# Altium PCB PROC114E3_BRD.PcbDoc (part 4 of 18)
Units mm, origin at the board's own origin, x right, y up, seen from the top; angles counter-clockwise.
Board outline 85 x 155.18 mm, 10 copper layers (TOP, L02_GND1, L03_SIG1, L04_GND2, L05_PWR1, L06_PWR2, L07_GND3, L08_SIG2, L09_GND4, BOTTOM), stack 1.134 mm thick; 1389 components, 1010 nets, 5137 pads, 3263 vias.
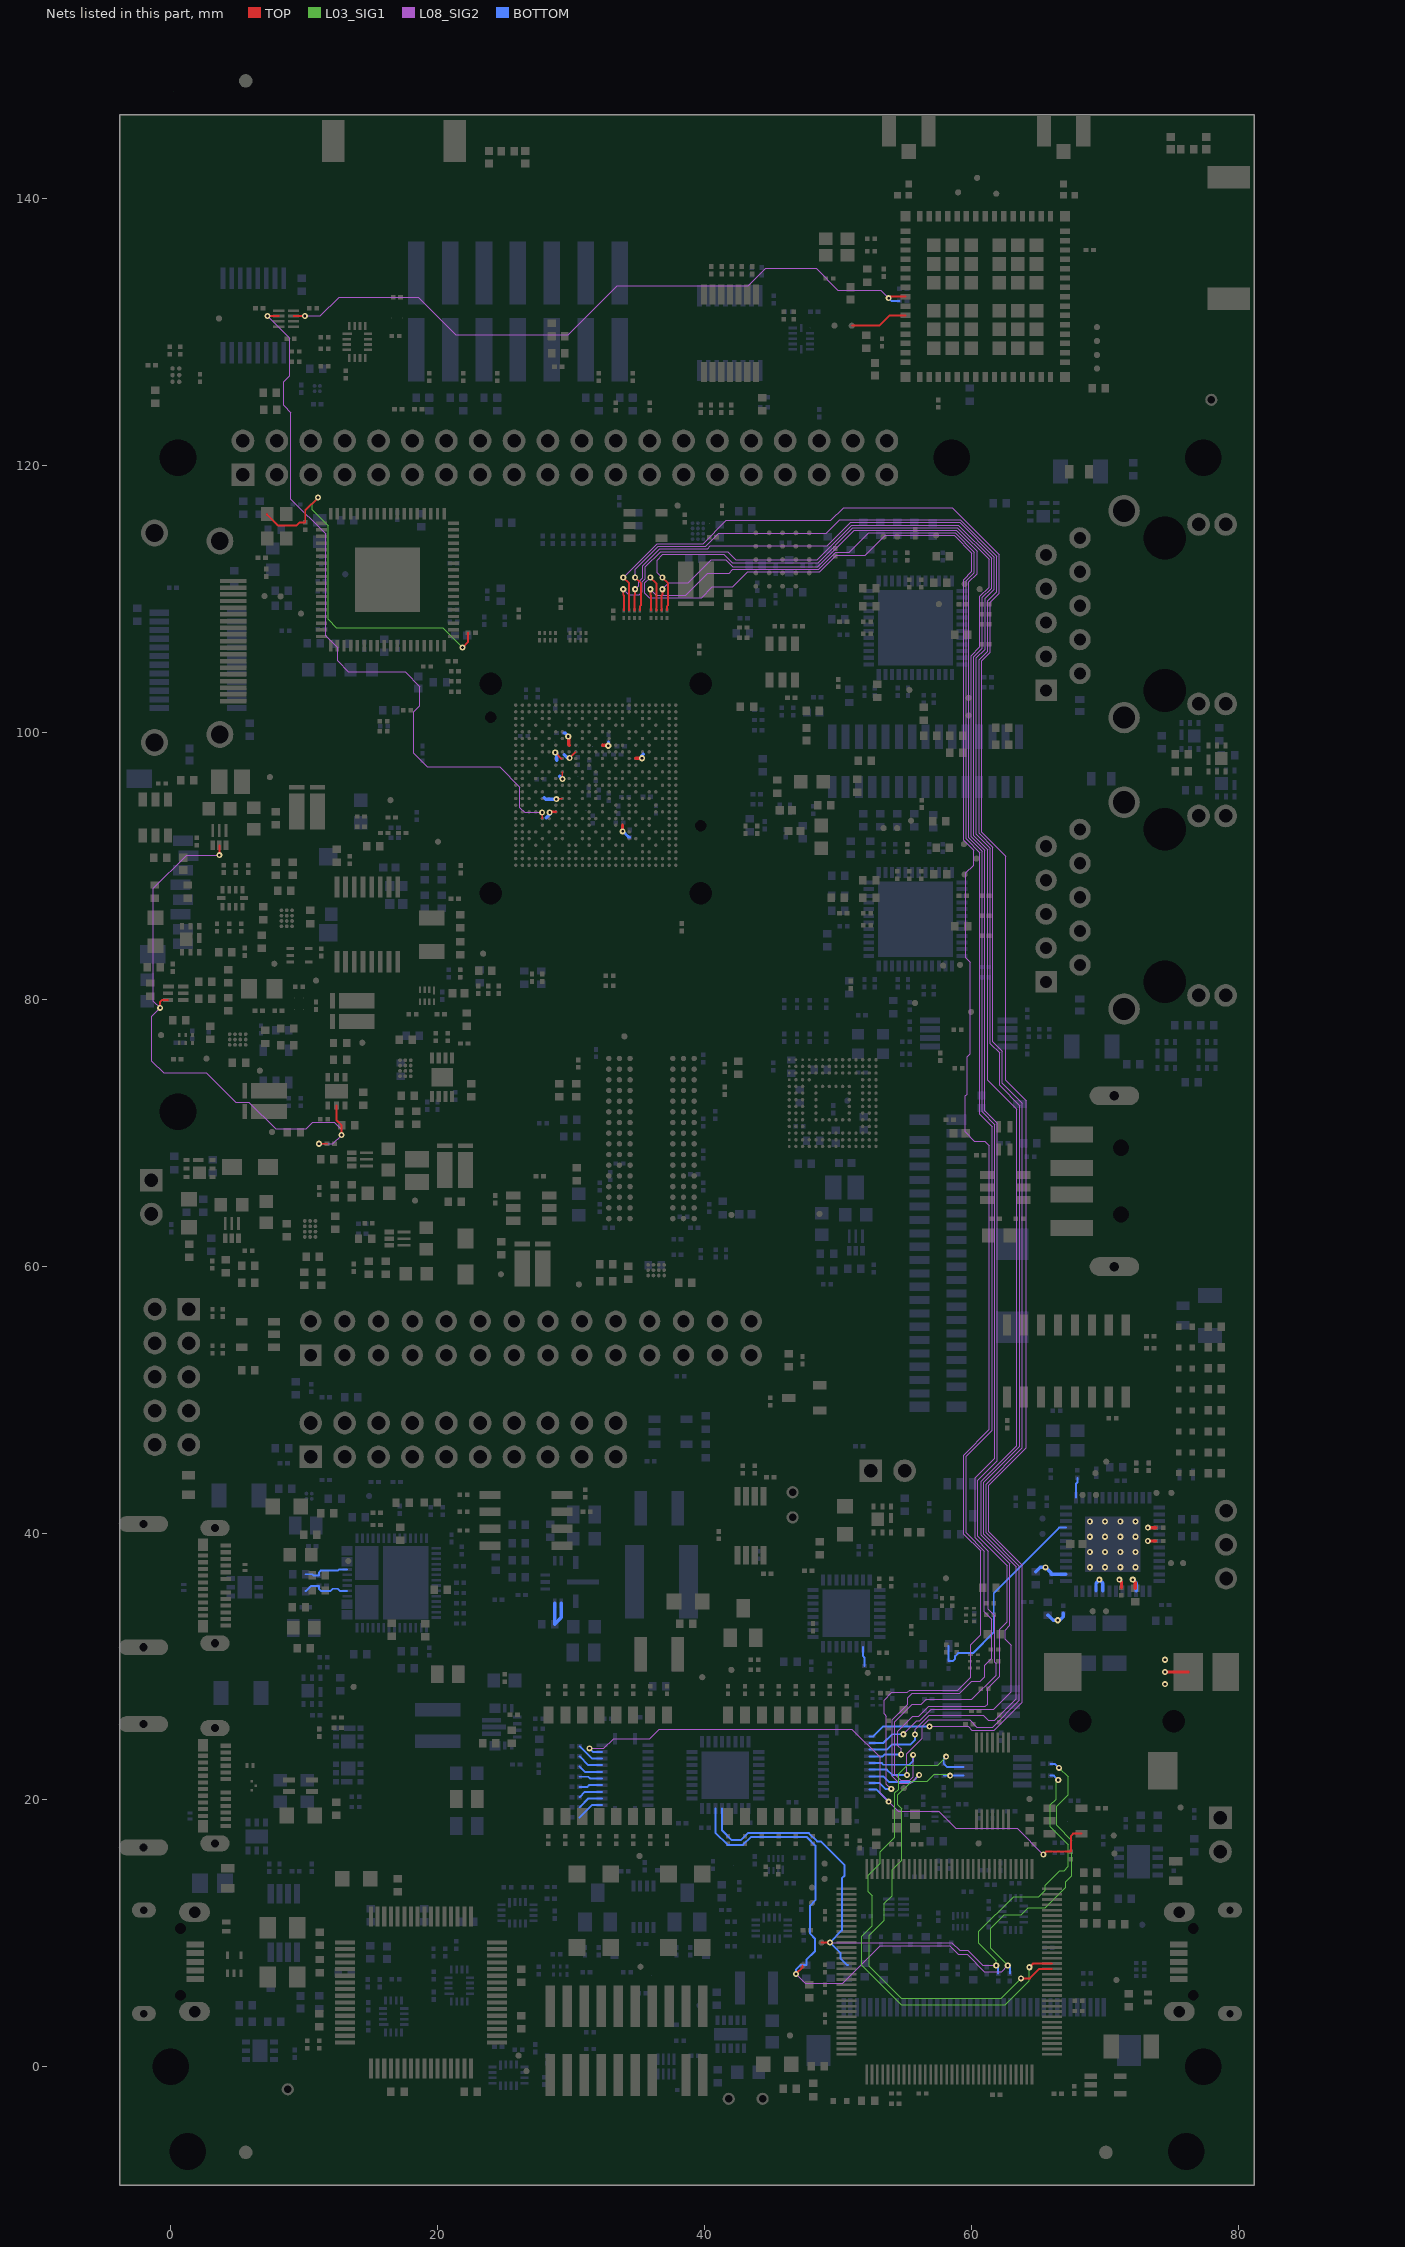
[diagram p12: the nets of this part, all layers, seen from the top]

## Footprints (in the part's own frame and the unit in brackets; to place one, negate y for a bottom-side part, rotate by r counter-clockwise, add the part's x,y. Pads: shape width x height; smd on the part's side, far side on the other; paste and mask are expansions set on the pad) (continued)
QFN24_19-68_220X140_1 [mil] "QFN24_19-68_220X140_1"
  rect 33x11 smd: 1(-107.28,-29.53) 12(107.28,-29.53) 13(107.28,29.53) 24(-107.28,29.53)
  rect 11x33 smd: 2(-88.58,-67.91) 3(-68.9,-67.91) 4(-49.21,-67.91) 5(-29.53,-67.91) 6(-9.84,-67.91) 7(9.84,-67.91) 8(29.53,-67.91) 9(49.21,-67.91) 10(68.9,-67.91) 11(88.58,-67.91) 14(88.58,67.91) 15(68.9,67.91) 16(49.21,67.91) 17(29.53,67.91) 18(9.84,67.91) 19(-9.84,67.91) 20(-29.53,67.91) 21(-49.21,67.91) 22(-68.9,67.91) 23(-88.58,67.91)
  oct 1x1 smd: 25(0,0)
  TOP region: -79.3,-40 79.3,-40 79.3,-14.84 124.3,-14.84 124.3,-5 96.06,-5 96.06,4.68 124.3,4.68 124.3,14.84 79.3,14.84 79.3,40 -79.3,40 -79.3,14.84 -124.3,14.84 -124.3,4.68 -95.76,4.68 -95.76,-5 -124.3,-5 -124.3,-14.84 -79.3,-14.84
  TOP region: -79.3,-40 79.3,-40 79.3,-14.84 124.3,-14.84 124.3,-5 96.06,-5 96.06,4.68 124.3,4.68 124.3,14.84 79.3,14.84 79.3,40 -79.3,40 -79.3,14.84 -124.3,14.84 -124.3,4.68 -95.76,4.68 -95.76,-5 -124.3,-5 -124.3,-14.84 -79.3,-14.84
  silkscreen extent -140,-118 140,100, body extent -110,-70 110,70, height 150
QFN32_19-68_200X200 [mil] "QFN32_19-68_200X200"
  rect 33x12 smd: 1(-98.42,68.9) 2(-98.42,49.21) 3(-98.42,29.53) 4(-98.42,9.84) 5(-98.42,-9.84) 6(-98.42,-29.53) 7(-98.42,-49.21) 8(-98.42,-68.9) 17(98.42,-68.9) 18(98.42,-49.21) 19(98.42,-29.53) 20(98.42,-9.84) 21(98.42,9.84) 22(98.42,29.53) 23(98.42,49.21) 24(98.42,68.9)
  rect 12x33 smd: 9(-68.9,-98.42) 10(-49.21,-98.42) 11(-29.53,-98.42) 12(-9.84,-98.42) 13(9.84,-98.42) 14(29.53,-98.42) 15(49.21,-98.42) 16(68.9,-98.42) 25(68.9,98.42) 26(49.21,98.42) 27(29.53,98.42) 28(9.84,98.42) 29(-9.84,98.42) 30(-29.53,98.42) 31(-49.21,98.42) 32(-68.9,98.42)
  rect 140x140 smd: 33(0,0)
  silkscreen extent -135,-110 110,110, body extent -100,-100 100,100, height 150
QFN48_19-68_280X280_1 [mil] "QFN48_19-68_280X280_1"
  rect 32x12 smd: 1(137.8,-108.27) 2(137.8,-88.58) 3(137.8,-68.9) 4(137.8,-49.21) 5(137.8,-29.53) 6(137.8,-9.84) 7(137.8,9.84) 8(137.8,29.53) 9(137.8,49.21) 10(137.8,68.9) 11(137.8,88.58) 12(137.8,108.27) 25(-137.8,108.27) 26(-137.8,88.58) 27(-137.8,68.9) 28(-137.8,49.21) 29(-137.8,29.53) 30(-137.8,9.84) 31(-137.8,-9.84) 32(-137.8,-29.53) 33(-137.8,-49.21) 34(-137.8,-68.9) 35(-137.8,-88.58) 36(-137.8,-108.27)
  rect 12x32 smd: 13(108.27,137.8) 14(88.58,137.8) 15(68.9,137.8) 16(49.21,137.8) 17(29.53,137.8) 18(9.84,137.8) 19(-9.84,137.8) 20(-29.53,137.8) 21(-49.21,137.8) 22(-68.9,137.8) 23(-88.58,137.8) 24(-108.27,137.8) 37(-108.27,-137.8) 38(-88.58,-137.8) 39(-68.9,-137.8) 40(-49.21,-137.8) 41(-29.53,-137.8) 42(-9.84,-137.8) 43(9.84,-137.8) 44(29.53,-137.8) 45(49.21,-137.8) 46(68.9,-137.8) 47(88.58,-137.8) 48(108.27,-137.8)
  rect 222x222 smd: 49(0,0)
  silkscreen extent -150,-150 175,150
QFN72_19-68_390X390_0-9 [mil] "QFN72_19-68_390X390_0-9"
  rect 33x10 smd: 1(-194.88,167.32) 2(-194.88,147.64) 3(-194.88,127.95) 4(-194.88,108.27) 5(-194.88,88.58) 6(-194.88,68.9) 7(-194.88,49.21) 8(-194.88,29.53) 9(-194.88,9.84) 10(-194.88,-9.84) 11(-194.88,-29.53) 12(-194.88,-49.21) 13(-194.88,-68.9) 14(-194.88,-88.58) 15(-194.88,-108.27) 16(-194.88,-127.95) 17(-194.88,-147.64) 18(-194.88,-167.32) 37(194.88,-167.32) 38(194.88,-147.64) 39(194.88,-127.95) 40(194.88,-108.27) 41(194.88,-88.58) 42(194.88,-68.9) 43(194.88,-49.21) 44(194.88,-29.53) 45(194.88,-9.84) 46(194.88,9.84) 47(194.88,29.53) 48(194.88,49.21) 49(194.88,68.9) 50(194.88,88.58) 51(194.88,108.27) 52(194.88,127.95) 53(194.88,147.64) 54(194.88,167.32)
  rect 10x33 smd: 19(-167.32,-194.88) 20(-147.64,-194.88) 21(-127.95,-194.88) 22(-108.27,-194.88) 23(-88.58,-194.88) 24(-68.9,-194.88) 25(-49.21,-194.88) 26(-29.53,-194.88) 27(-9.84,-194.88) 28(9.84,-194.88) 29(29.53,-194.88) 30(49.21,-194.88) 31(68.9,-194.88) 32(88.58,-194.88) 33(108.27,-194.88) 34(127.95,-194.88) 35(147.64,-194.88) 36(167.32,-194.88) 55(167.32,194.88) 56(147.64,194.88) 57(127.95,194.88) 58(108.27,194.88) 59(88.58,194.88) 60(68.9,194.88) 61(49.21,194.88) 62(29.53,194.88) 63(9.84,194.88) 64(-9.84,194.88) 65(-29.53,194.88) 66(-49.21,194.88) 67(-68.9,194.88) 68(-88.58,194.88) 69(-108.27,194.88) 70(-127.95,194.88) 71(-147.64,194.88) 72(-167.32,194.88)
  rect 191x191 smd: 73(0,0)
  silkscreen extent -225,-205 205,205, body extent -195,-195 195,195, height 150
RES0201_0-5#1 [mil] "RES0201_0-5"
  rect 14x13 smd: 1(-11.02,0) 2(11.02,0)
  silkscreen extent -25,-15 25,15
RES0201_0-5#2 [mil] "RES0201_0-5"
  rect 14x13 smd: 1(11.02,0) 2(-11.02,0)
  silkscreen extent -25,-15 25,15, body extent -10,-5 10,5, height 150
RES0402 [mil] "RES0402"
  rect 22x25 smd: 1(-19.29,0) 2(19.29,0)
  TOP keep-out region: -5,10 -5,-10 5,-10 5,10
  silkscreen extent -35,-25 35,25, body extent -20,-10 20,10, height 150
RES0402_0-5#1 [mil] "RES0402_0-5"
  rect 20x20 smd: 1(-16.54,0) 2(16.54,0)
  TOP keep-out region: -5,-10 5,-10 5,10 -5,10
  silkscreen extent -30,-25 30,25, body extent -20,-10 20,10, height 150
RES0402_0-5#2 [mil] "RES0402_0-5"
  rect 22x25 smd: 1(-19.29,0) 2(19.29,0)
  TOP keep-out region: -5,-10 5,-10 5,10 -5,10
  silkscreen extent -35,-25 35,25, body extent -20,-10 20,10, height 150
RES0402_0-5#3 [mil] "RES0402_0-5"
  rect 22x25 smd: 1(19.29,0) 2(-19.29,0)
  TOP keep-out region: 5,-10 5,10 -5,10 -5,-10
  silkscreen extent -35,-25 35,25, body extent -20,-10 20,10, height 150
RES0603_0-75#1 [mil] "RES0603_0-75"
  rect 25x39 smd: 1(-29.13,0) 2(29.13,0)
  TOP keep-out region: -15,-20 15,-20 15,20 -15,20
  silkscreen extent -45,-30 45,30, body extent -35,-20 35,20, height 150
RES0603_0-75#2 [mil] "RES0603_0-75"
  rect 25x39 smd: 1(29.13,0) 2(-29.13,0)
  TOP keep-out region: -15,20 15,20 15,-20 -15,-20
  silkscreen extent -45,-30 45,30
RES0805_0-75#1 [mil] "RES0805_0-75"
  rect 47x57 smd: 1(-37.4,0) 2(37.4,0)
  TOP keep-out region: -10,30 -10,-30 10,-30 10,30
  silkscreen extent -65,-40 65,40, body extent -45,-30 45,30, height 150
RES0805_0-75#2 [mil] "RES0805_0-75"
  rect 47x57 smd: 1(37.4,0) 2(-37.4,0)
  TOP keep-out region: 10,-30 10,30 -10,30 -10,-30
  silkscreen extent -65,-40 65,40, body extent -45,-30 45,30, height 150
RES_KRL3216T4_1206-4_0-7 [mil] "RES_KRL3216T4_1206-4_0-7"
  rect 45x14 smd: 1(-30.51,58.93) 4(30.51,58.93)
  rect 45x106 smd: 2(-30.51,-12.93) 3(30.51,-12.93)
  silkscreen extent -68,-80 60,99, body extent -35,-65 35,65, height 150
RESA_EXB_0201-4_0-5 [mil] "RESA_EXB_0201-4_0-5"
  rect 8x12 smd: 1(-23.62,-10.83) 2(-7.87,-10.83) 3(7.87,-10.83) 4(23.62,-10.83) 5(23.62,10.83) 6(7.87,10.83) 7(-7.87,10.83) 8(-23.62,10.83)
  silkscreen extent -40,-45 40,30, body extent -30,-15 30,15, height 150
SC70-5_1-1 [mil] "SC70-5_1-1"
  rect 37x16 smd: 1(-43.31,25.59) 2(-43.31,0) 3(-43.31,-25.59) 4(43.31,-25.59) 5(43.31,25.59)
  silkscreen extent -80,-50 10,50, body extent -25,-40 25,40, height 150
SOIC8_1-8 [mil] "SOIC8_1-8"
  rect 61x24 smd: 1(-106.3,75) 2(-106.3,25) 3(-106.3,-25) 4(-106.3,-75) 5(106.3,-75) 6(106.3,-25) 7(106.3,25) 8(106.3,75)
  silkscreen extent -124,-110 60,114, body extent -80,-100 80,100, height 150
SOIC16_1-8 [mil] "SOIC16_1-8"
  rect 61x24 smd: 1(-106.3,175) 2(-106.3,125) 3(-106.3,75) 4(-106.3,25) 5(-106.3,-25) 6(-106.3,-75) 7(-106.3,-125) 8(-106.3,-175) 9(106.3,-175) 10(106.3,-125) 11(106.3,-75) 12(106.3,-25) 13(106.3,25) 14(106.3,75) 15(106.3,125) 16(106.3,175)
  silkscreen extent -160,-205 60,205, body extent -80,-195 80,195, height 150
SON6_19-68_40X60_PB_0-6 [mil] "SON6_19-68_40X60_PB_0-6"
  rect 14x12 smd: 1(-11.81,19.68) 2(-11.81,0) 3(-11.81,-19.68) 4(11.81,-19.68) 5(11.81,0) 6(11.81,19.68)
  silkscreen extent -38,-40 20,45, body extent -20,-30 20,30, height 150
SON6_25-59_85X85 [mil] "SON6_25-59_85X85"
  rect 24x14 smd: 1(41.34,-25.59) 2(41.34,0) 3(41.34,25.59) 4(-41.34,25.59) 5(-41.34,0) 6(-41.34,-25.59)
  rect 43x67 smd: 7(0,0)
  silkscreen extent -40,-55 75,50, body extent -40,-40 40,40, height 150
SON6_25-59_85X85_0-8#1 [mil] "SON6_25-59_85X85_0-8"
  rect 24x14 smd: 1(-41.34,25.59) 2(-41.34,0) 3(-41.34,-25.59) 4(41.34,-25.59) 5(41.34,0) 6(41.34,25.59)
  rect 42x67 smd: 7(0,0)
  silkscreen extent -57,-50 40,76, body extent -40,-40 40,40, height 150
SON6_25-59_85X85_0-8#2 [mil] "SON6_25-59_85X85_0-8"
  rect 24x14 smd: 1(41.34,-25.59) 2(41.34,0) 3(41.34,25.59) 4(-41.34,25.59) 5(-41.34,0) 6(-41.34,-25.59)
  rect 42x67 smd: 7(0,0)
  silkscreen extent -40,-55 75,50, body extent -40,-40 40,40, height 150
SON6_CSD17313Q2_80X80 [mil] "SON6_CSD17313Q2_80X80"
  rect 16x18 smd: 1(-25.59,-36.32) 2(0,-36.32) 3(25.59,-36.32) 4(25.59,36.32) 5(0,36.32) 6(-25.59,36.32)
  rect 16x34 smd: 7(25.59,3.78)
  rect 41x43 smd: 8(-12.8,0)
  silkscreen extent -50,-75 50,60, body extent -40,-40 40,40, height 150
SON6_SN74LVC2G17_40X60_0-6 [mil] "SON6_SN74LVC2G17_40X60_0-6"
  rect 14x8 smd: 1(-10.83,19.68)
  rect 12x8 smd: 2(-11.81,0) 3(-11.81,-19.68) 4(11.81,-19.68) 5(11.81,0) 6(11.81,19.68)
  silkscreen extent -35,-40 20,45, body extent -20,-30 20,30, height 150
SON8_25-59_130X130_1 [mil] "SON8_25-59_130X130_1"
  rect 30x14 smd: 1(-57.09,38.39) 2(-57.09,12.8) 3(-57.09,-12.8) 4(-57.09,-38.39) 5(57.09,-38.39) 6(57.09,-12.8) 7(57.09,12.8) 8(57.09,38.39)
  rect 69x99 smd: 9(0,0)
  silkscreen extent -95,-75 75,80, body extent -65,-65 65,65, height 150
SOT23-5 [mil] "SOT23-5"
  rect 35x22 smd: 1(-47.24,37.4) 2(-47.24,0) 3(-47.24,-37.4) 4(47.24,-37.4) 5(47.24,37.4)
  silkscreen extent -57,-70 15,70, body extent -35,-60 35,60, height 150
SOT23-6 [mil] "SOT23-6"
  rect 41x24 smd: 1(-53.15,37.4) 2(-53.15,0) 3(-53.15,-37.4) 4(53.15,-37.4) 5(53.15,0) 6(53.15,37.4)
  silkscreen extent -45,-70 15,70, body extent -33,-60 33,60, height 150
SOT23-6_1-5 [mil] "SOT23-6_1-5"
  rect 43x24 smd: 1(-53.15,37.4) 2(-53.15,0) 3(-53.15,-37.4) 4(53.15,-37.4) 5(53.15,0) 6(53.15,37.4)
  silkscreen extent -95,-70 15,70
SOT23-123_1-2#1 [mil] "SOT23-123_1-2"
  rect 40x24 smd: 1(-45.28,37.4) 2(-45.28,-37.4) 3(45.28,0)
  silkscreen extent -96,-70 10,70, body extent -30,-60 30,60, height 150
SOT23-123_1-2#2 [mil] "SOT23-123_1-2"
  rect 40x24 smd: 1(45.28,-37.4) 2(45.28,37.4) 3(-45.28,0)
  silkscreen extent -10,-70 92,70, body extent -30,-60 30,60, height 150
SOT553-5_0-6 [mil] "SOT553-5_0-6"
  rect 22x9 smd: 1(-27.17,19.68) 2(-27.17,0) 3(-27.17,-19.68) 4(27.17,-19.68) 5(27.17,19.68)
  silkscreen extent -50,-45 35,50, body extent -25,-35 25,35, height 150
SW4_100X216_200X200_SMD_4-2 [mm] "SW4_100X216_200X200_SMD_4-2"
  rect 1.27x1.27 smd: 1(-1.27,-2.75) 2(1.27,-2.75) 3(1.27,2.75) 4(-1.27,2.75)
  silkscreen extent -2.95,-4.38 2.95,3.68, body extent -2.54,-2.54 2.54,2.54, height 3.81
SW16_416131160808_460X230_SMD_2-7 [mil] "SW16_416131160808_460X230_SMD_2-7"
  rect 30x50 smd: 1(-175,-150) 2(-125,-150) 3(-75,-150) 4(-25,-150) 5(25,-150) 6(75,-150) 7(125,-150) 8(175,-150) 9(175,150) 10(125,150) 11(75,150) 12(25,150) 13(-25,150) 14(-75,150) 15(-125,150) 16(-175,150)
  silkscreen extent -240,-178 240,125, body extent -230,-115 230,115, height 150
TO_SOT23-123#1 [mil] "TO_SOT23-123"
  rect 40x55 smd: 1(-37.4,-43.31) 2(37.4,-43.31) 3(0,43.31)
  silkscreen extent -70,-102 70,85, body extent -60,-30 60,30, height 150
TO_SOT23-123#2 [mil] "TO_SOT23-123"
  rect 40x55 smd: 1(37.4,43.31) 2(-37.4,43.31) 3(0,-43.31)
  silkscreen extent -70,-85 70,102, body extent -60,-30 60,30, height 150
TP20_SMD [mil] "TP20_SMD"
  round 18 smd: 1(0,0)
  silkscreen extent -20,-20 20,20, body extent -10,-10 10,10, height 150
TP_36X22 [mil] "TP_36X22"
  round 36 hole 22: 1(0,0)
  silkscreen extent -30,-30 30,30, body extent -30,-30 30,30, height 150
TP_40X65 [mil] "TP_40X65"
  round 65 hole 40: 1(0,0)
  silkscreen extent -47,-47 47,47
TQFP128_15-74_550X550_1-2 [mil] "TQFP128_15-74_550X550_1-2"
  rect 59x8 smd: 1(-303.15,244.09) 2(-303.15,228.35) 3(-303.15,212.6) 4(-303.15,196.85) 5(-303.15,181.1) 6(-303.15,165.35) 7(-303.15,149.61) 8(-303.15,133.86) 9(-303.15,118.11) 10(-303.15,102.36) 11(-303.15,86.61) 12(-303.15,70.87) 13(-303.15,55.12) 14(-303.15,39.37) 15(-303.15,23.62) 16(-303.15,7.87) 17(-303.15,-7.87) 18(-303.15,-23.62) 19(-303.15,-39.37) 20(-303.15,-55.12) 21(-303.15,-70.87) 22(-303.15,-86.61) 23(-303.15,-102.36) 24(-303.15,-118.11) 25(-303.15,-133.86) 26(-303.15,-149.61) 27(-303.15,-165.35) 28(-303.15,-181.1) 29(-303.15,-196.85) 30(-303.15,-212.6) 31(-303.15,-228.35) 32(-303.15,-244.09) 65(303.15,-244.09) 66(303.15,-228.35) 67(303.15,-212.6) 68(303.15,-196.85) 69(303.15,-181.1) 70(303.15,-165.35) 71(303.15,-149.61) 72(303.15,-133.86) 73(303.15,-118.11) 74(303.15,-102.36) 75(303.15,-86.61) 76(303.15,-70.87) 77(303.15,-55.12) 78(303.15,-39.37) 79(303.15,-23.62) 80(303.15,-7.87) 81(303.15,7.87) 82(303.15,23.62) 83(303.15,39.37) 84(303.15,55.12) 85(303.15,70.87) 86(303.15,86.61) 87(303.15,102.36) 88(303.15,118.11) 89(303.15,133.86) 90(303.15,149.61) 91(303.15,165.35) 92(303.15,181.1) 93(303.15,196.85) 94(303.15,212.6) 95(303.15,228.35) 96(303.15,244.09)
  rect 8x59 smd: 33(-244.09,-303.15) 34(-228.35,-303.15) 35(-212.6,-303.15) 36(-196.85,-303.15) 37(-181.1,-303.15) 38(-165.35,-303.15) 39(-149.61,-303.15) 40(-133.86,-303.15) 41(-118.11,-303.15) 42(-102.36,-303.15) 43(-86.61,-303.15) 44(-70.87,-303.15) 45(-55.12,-303.15) 46(-39.37,-303.15) 47(-23.62,-303.15) 48(-7.87,-303.15) 49(7.87,-303.15) 50(23.62,-303.15) 51(39.37,-303.15) 52(55.12,-303.15) 53(70.87,-303.15) 54(86.61,-303.15) 55(102.36,-303.15) 56(118.11,-303.15) 57(133.86,-303.15) 58(149.61,-303.15) 59(165.35,-303.15) 60(181.1,-303.15) 61(196.85,-303.15) 62(212.6,-303.15) 63(228.35,-303.15) 64(244.09,-303.15) 97(244.09,303.15) 98(228.35,303.15) 99(212.6,303.15) 100(196.85,303.15) 101(181.1,303.15) 102(165.35,303.15) 103(149.61,303.15) 104(133.86,303.15) 105(118.11,303.15) 106(102.36,303.15) 107(86.61,303.15) 108(70.87,303.15) 109(55.12,303.15) 110(39.37,303.15) 111(23.62,303.15) 112(7.87,303.15) 113(-7.87,303.15) 114(-23.62,303.15) 115(-39.37,303.15) 116(-55.12,303.15) 117(-70.87,303.15) 118(-86.61,303.15) 119(-102.36,303.15) 120(-118.11,303.15) 121(-133.86,303.15) 122(-149.61,303.15) 123(-165.35,303.15) 124(-181.1,303.15) 125(-196.85,303.15) 126(-212.6,303.15) 127(-228.35,303.15) 128(-244.09,303.15)
  silkscreen extent -360,-360 360,360, body extent -275,-275 275,275, height 150
TSSOP8_25-59_125X180_1-2 [mil] "TSSOP8_25-59_125X180_1-2"
  rect 59x18 smd: 1(-114.17,38.39) 2(-114.17,12.8) 3(-114.17,-12.8) 4(-114.17,-38.39) 5(114.17,-38.39) 6(114.17,-12.8) 7(114.17,12.8) 8(114.17,38.39)
  silkscreen extent -123,-70 70,70, body extent -90,-60 90,60, height 150
TSSOP14_25-59_205X180_1-2 [mil] "TSSOP14_25-59_205X180_1-2"
  rect 59x18 smd: 1(-114.17,76.77) 2(-114.17,51.18) 3(-114.17,25.59) 4(-114.17,0) 5(-114.17,-25.59) 6(-114.17,-51.18) 7(-114.17,-76.77) 8(114.17,-76.77) 9(114.17,-51.18) 10(114.17,-25.59) 11(114.17,0) 12(114.17,25.59) 13(114.17,51.18) 14(114.17,76.77)
  silkscreen extent -127,-110 70,110, body extent -90,-100 90,100, height 150
TSSOP16_25-59_205X180 [mil] "TSSOP16_25-59_205X180"
  rect 63x14 smd: 1(-110.24,89.57) 2(-110.24,63.98) 3(-110.24,38.39) 4(-110.24,12.8) 5(-110.24,-12.8) 6(-110.24,-38.39) 7(-110.24,-63.98) 8(-110.24,-89.57) 9(110.24,-89.57) 10(110.24,-63.98) 11(110.24,-38.39) 12(110.24,-12.8) 13(110.24,12.8) 14(110.24,38.39) 15(110.24,63.98) 16(110.24,89.57)
  silkscreen extent -135,-110 65,113, body extent -90,-100 90,100, height 150
TSSOP24_25-59_315X180_1-2 [mil] "TSSOP24_25-59_315X180_1-2"
  rect 57x18 smd: 1(-114.17,140.75) 2(-114.17,115.16) 3(-114.17,89.57) 4(-114.17,63.98) 5(-114.17,38.39) 6(-114.17,12.8) 7(-114.17,-12.8) 8(-114.17,-38.39) 9(-114.17,-63.98) 10(-114.17,-89.57) 11(-114.17,-115.16) 12(-114.17,-140.75) 13(114.17,-140.75) 14(114.17,-115.16) 15(114.17,-89.57) 16(114.17,-63.98) 17(114.17,-38.39) 18(114.17,-12.8) 19(114.17,12.8) 20(114.17,38.39) 21(114.17,63.98) 22(114.17,89.57) 23(114.17,115.16) 24(114.17,140.75)
  silkscreen extent -165,-165 70,165, body extent -90,-155 90,155, height 150
TVSOP14_15-74_180X150_1-2 [mil] "TVSOP14_15-74_180X150_1-2"
  rect 59x8 smd: 1(-114.17,47.24) 2(-114.17,31.5) 3(-114.17,15.75) 4(-114.17,0) 5(-114.17,-15.75) 6(-114.17,-31.5) 7(-114.17,-47.24) 8(114.17,-47.24) 9(114.17,-31.5) 10(114.17,-15.75) 11(114.17,0) 12(114.17,15.75) 13(114.17,31.5) 14(114.17,47.24)
  silkscreen extent -165,-85 70,85, body extent -90,-75 90,75, height 150
UDFN8_19-68_120X80_0-6 [mil] "UDFN8_19-68_120X80_0-6"
  rect 32x12 smd: 1(-57.09,29.53) 2(-57.09,9.84) 3(-57.09,-9.84) 4(-57.09,-29.53) 5(57.09,-29.53) 6(57.09,-9.84) 7(57.09,9.84) 8(57.09,29.53)
  rect 55x63 smd: 9(0,0)
  silkscreen extent -88,-50 60,55, body extent -60,-40 60,40, height 150
UQFN10_19-68_80X60_0-6 [mil] "UQFN10_19-68_80X60_0-6"
  rect 23x12 smd: 1(-25,29.53) 4(-25,-29.53) 6(25,-29.53) 9(25,29.53)
  rect 23x10 smd: 2(-25,9.84) 3(-25,-9.84) 7(25,-9.84) 8(25,9.84)
  rect 12x25 smd: 5(0,-33.86) 10(0,33.86)
  silkscreen extent -52,-60 50,75
UQFN12_TXB0104RUT_70X80_0-6 [mil] "UQFN12_TXB0104RUT_70X80_0-6"
  oct 1x1 smd: 1(25.59,-31.5)
  rect 24x8 smd: 2(25.59,-15.75) 3(25.59,0) 4(25.59,15.75) 5(25.59,31.5) 7(-25.59,31.5) 8(-25.59,15.75) 9(-25.59,0) 10(-25.59,-15.75) 11(-25.59,-31.5)
  rect 8x24 smd: 6(0,31.5) 12(0,-31.5)
  TOP region: 37.59,-35.51 37.6,-27.51 13.6,-27.49 13.58,-43.49 19.58,-43.49 19.59,-35.49
  TOP region: 37.59,-35.51 37.6,-27.51 13.6,-27.49 13.58,-43.49 19.58,-43.49 19.59,-35.49
  silkscreen extent -55,-60 70,60, body extent -35,-40 35,40, height 150
UQFN16_TMUX1574_70X100_0-6 [mil] "UQFN16_TMUX1574_70X100_0-6"
  rect 28x8 smd: 1(-29.52,23.62)
  rect 24x8 smd: 2(-31.49,7.87) 3(-31.49,-7.87) 4(-31.49,-23.62) 9(31.51,-23.62) 10(31.51,-7.87) 11(31.51,7.87) 12(31.51,23.62)
  rect 8x24 smd: 5(-23.61,-47.24) 6(-7.86,-47.24) 7(7.88,-47.24) 8(23.63,-47.24) 13(23.63,47.24) 14(7.88,47.24) 15(-7.86,47.24) 16(-23.61,47.24)
  silkscreen extent -55,-60 45,60, body extent -35,-50 35,50, height 150
VFBGA153_19-68_460X520_1-1 [mil] "VFBGA153_19-68_460X520_1-1"
  round 8 smd: A1(-127.95,127.95) A2(-108.27,127.95) A3(-88.58,127.95) A4(-68.9,127.95) A5(-49.21,127.95) A6(-29.53,127.95) B1(-127.95,108.27) C1(-127.95,88.58) D1(-127.95,68.9) M1(-127.95,-88.58) N1(-127.95,-108.27) P1(-127.95,-127.95)
  round 10 smd: A7(-9.84,127.95) A8(9.84,127.95) A9(29.53,127.95) A10(49.21,127.95) A11(68.9,127.95) A12(88.58,127.95) A13(108.27,127.95) A14(127.95,127.95) B2(-108.27,108.27) B3(-88.58,108.27) B4(-68.9,108.27) B5(-49.21,108.27) B6(-29.53,108.27) B7(-9.84,108.27) B8(9.84,108.27) B9(29.53,108.27) B10(49.21,108.27) B11(68.9,108.27) B12(88.58,108.27) B13(108.27,108.27) B14(127.95,108.27) C2(-108.27,88.58) C3(-88.58,88.58) C4(-68.9,88.58) C5(-49.21,88.58) C6(-29.53,88.58) C7(-9.84,88.58) C8(9.84,88.58) C9(29.53,88.58) C10(49.21,88.58) C11(68.9,88.58) C12(88.58,88.58) C13(108.27,88.58) C14(127.95,88.58) D2(-108.27,68.9) D3(-88.58,68.9) D4(-68.9,68.9) D12(88.58,68.9) D13(108.27,68.9) D14(127.95,68.9) E1(-127.95,49.21) E2(-108.27,49.21) E3(-88.58,49.21) E5(-49.21,49.21) E6(-29.53,49.21) E7(-9.84,49.21) E8(9.84,49.21) E9(29.53,49.21) E10(49.21,49.21) E12(88.58,49.21) E13(108.27,49.21) E14(127.95,49.21) F1(-127.95,29.53) F2(-108.27,29.53) F3(-88.58,29.53) F5(-49.21,29.53) F10(49.21,29.53) F12(88.58,29.53) F13(108.27,29.53) F14(127.95,29.53) G1(-127.95,9.84) G2(-108.27,9.84) G3(-88.58,9.84) G5(-49.21,9.84) G10(49.21,9.84) G12(88.58,9.84) G13(108.27,9.84) G14(127.95,9.84) H1(-127.95,-9.84) H2(-108.27,-9.84) H3(-88.58,-9.84) H5(-49.21,-9.84) H10(49.21,-9.84) H12(88.58,-9.84) H13(108.27,-9.84) H14(127.95,-9.84) J1(-127.95,-29.53) J2(-108.27,-29.53) J3(-88.58,-29.53) J5(-49.21,-29.53) J10(49.21,-29.53) J12(88.58,-29.53) J13(108.27,-29.53) J14(127.95,-29.53) K1(-127.95,-49.21) K2(-108.27,-49.21) K3(-88.58,-49.21) K5(-49.21,-49.21) K6(-29.53,-49.21) K7(-9.84,-49.21) K8(9.84,-49.21) K9(29.53,-49.21) K10(49.21,-49.21) K12(88.58,-49.21) K13(108.27,-49.21) K14(127.95,-49.21) L1(-127.95,-68.9) L2(-108.27,-68.9) L3(-88.58,-68.9) L12(88.58,-68.9) L13(108.27,-68.9) L14(127.95,-68.9) M2(-108.27,-88.58) M3(-88.58,-88.58) M4(-68.9,-88.58) M5(-49.21,-88.58) M6(-29.53,-88.58) M7(-9.84,-88.58) M8(9.84,-88.58) M9(29.53,-88.58) M10(49.21,-88.58) M11(68.9,-88.58) M12(88.58,-88.58) M13(108.27,-88.58) M14(127.95,-88.58) N2(-108.27,-108.27) N3(-88.58,-108.27) N4(-68.9,-108.27) N5(-49.21,-108.27) N6(-29.53,-108.27) N7(-9.84,-108.27) N8(9.84,-108.27) N9(29.53,-108.27) N10(49.21,-108.27) N11(68.9,-108.27) N12(88.58,-108.27) N13(108.27,-108.27) N14(127.95,-108.27) P2(-108.27,-127.95) P3(-88.58,-127.95) P4(-68.9,-127.95) P5(-49.21,-127.95) P6(-29.53,-127.95) P7(-9.84,-127.95) P8(9.84,-127.95) P9(29.53,-127.95) P10(49.21,-127.95) P11(68.9,-127.95) P12(88.58,-127.95) P13(108.27,-127.95) P14(127.95,-127.95)